# KiCad board Bestellung Rev.1.kicad_pcb (continued)
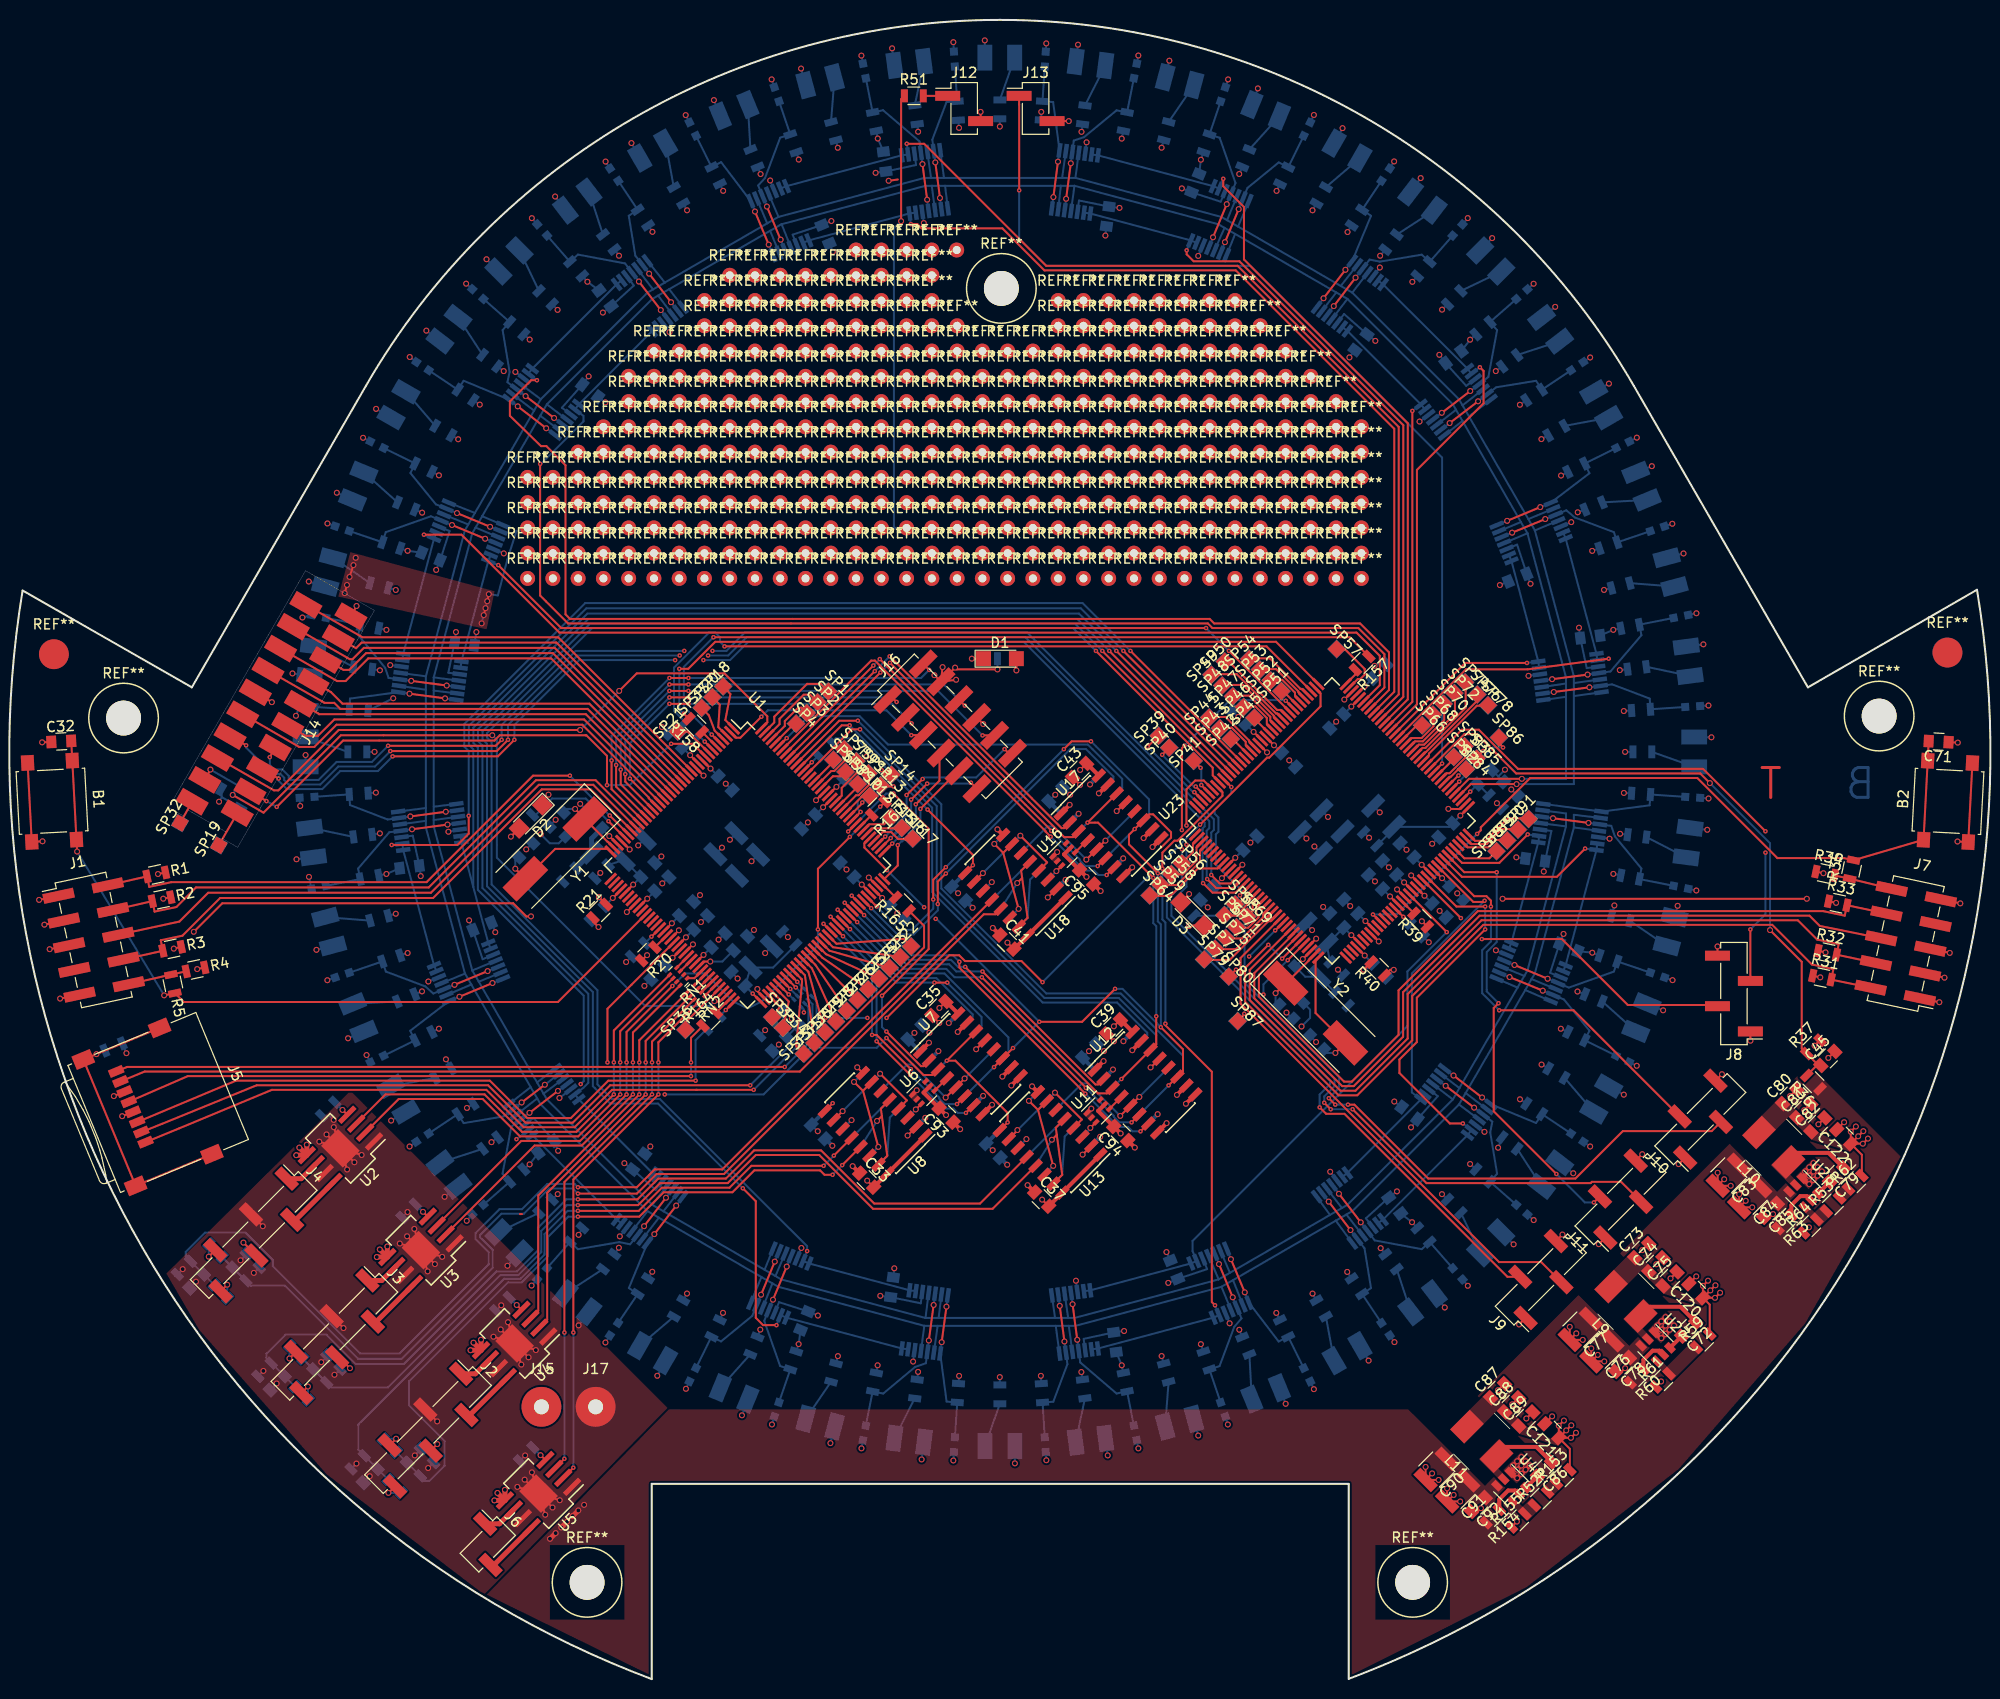
[diagram p0: board, top side]
## Routing (per net, layer and track width the routed paths; a pad name or vN(x,y) marks a point on that pad's centre or on a via; arc(x,y) is an arc through that point) (continued)
/Sensor Controller/12WHITE: length 72.6
  Top w0.2: U23.98 137.89,96.51 140.14,98.76 140.14,126.08 123.66,142.56 119.06,142.56 118.36,143.26 v2(118.36,143.66)
  Bottom w0.2: U46.13 U46.14 ; U46.14 U47.1 U47.2 ; U46.14 v2(118.36,143.66)
/Sensor Controller/Echo1: length 55.4
  Top w0.2: v2(176.55,85.25) 170.28,91.52 151.67,91.52 147.73,95.46 146.03,95.46 U23.85 142.49,91.91 ; v2(175.03,75.38) 175.04,75.37 J8.3
  In2.Cu w0.2: v2(176.55,85.25) v2(176.55,83.1)
  Bottom w0.2: v2(176.55,83.1) 176.55,76.9 v2(175.03,75.38)
/Sensor Controller/Echo2: length 84.1
  Top w0.2: U23.136 v2(122.85,89.7) ; J10.3 171.14,55.1 162.21,55.1 157.44,50.33 142.65,50.33 135.22,57.76 v2(134.58,57.76) ; v2(133.3,57.76) v2(132.65,58.41)
  Bottom w0.2: v2(132.65,58.41) 133.69,59.44 133.69,60.51 124.18,70.02 124.18,79.01 121.29,81.9 121.29,84.93 121.55,85.19 121.55,86.64 121.18,87.01 121.18,87.39 122.85,89.06 v2(122.85,89.7) ; v2(134.58,57.76) v2(133.3,57.76)
/Sensor Controller/Echo3: length 78.9
  Top w0.2: J11.3 162.04,50 159.1,50 158.97,49.87 142.47,49.87 v2(135.04,57.3) ; v2(118.34,85.83) 118.34,89.47 119.22,90.35 120.08,90.35 120.99,89.44 U23.139 ; v2(132.84,57.3) v2(132.19,57.95)
  In2.Cu w0.2: v2(118.34,83.9) v2(118.34,85.83)
  Bottom w0.2: v2(132.19,57.95) 132.19,58.59 133.23,59.63 133.23,60.35 116.83,76.75 116.83,78.16 118.34,79.67 v2(118.34,83.9) ; v2(135.04,57.3) v2(132.84,57.3)
/Sensor Controller/Echo4: length 54
  Top w0.2: J9.3 154.01,41.93 149.77,41.93 123.78,67.92 123.78,72.51 127.7,76.43 U23.25
/Sensor Controller/JTAG_Test_Clock: length 87.5
  Top w0.2: J7.4 R32.2 183.91,73.9 181.74,74.36 179.8,76.3 148,76.3 140.58,68.88 140.58,64.41 135.33,59.16 133.82,59.16 124.7,68.28 124.7,71.31 128.76,75.37 U23.28
/Sensor Controller/JTAG_Test_Data_In: length 85
  Top w0.2: J7.8 R33.2 184.52,76.76 182.35,77.22 147.63,77.22 139.66,69.25 139.66,64.77 134.97,60.08 134.18,60.08 125.62,68.64 125.62,70.81 U23.30
/Sensor Controller/JTAG_Test_Data_Out: length 85.2
  Top w0.2: J7.6 182.01,75.73 180.98,76.76 147.81,76.76 140.12,69.07 140.12,64.59 135.15,59.62 134,59.62 125.16,68.46 125.16,70.99 129.12,74.95 U23.29
/Sensor Controller/JTAG_Test_Mode_Select: length 90.9
  Top w0.2: J7.2 R31.2 183.38,71.39 181.22,71.85 177.23,75.84 148.19,75.84 141.04,68.69 141.04,64.23 135.51,58.7 133.64,58.7 124.24,68.1 124.24,71.5 v2(126.57,73.83) ; v2(127.96,72.44) 129.83,74.3 U23.31
  Bottom w0.2: v2(127.96,72.44) v2(126.57,73.83)
/Sensor Controller/LBR: length 98
  Top w0.2: U23.83 v2(144.04,92.06) ; v2(101.52,149.69) 101.52,158.33 101.52,158.33 J13.1
  Bottom w0.2: v2(101.52,149.69) 101.52,144.82 104.24,142.1 124.76,142.1 144.04,122.82 v2(144.04,92.06)
/Sensor Controller/LED2: length 6.6
  Top w0.2: v2(123.72,78.81) U23.16
  Bottom w0.2: v2(123.72,78.81) 121.67,76.76 R42.2
/Sensor Controller/Linesensor 1/Photo1: length 15.7
  Top w0.2: v1(93.09,152.5) v1(93.56,148.92)
  Bottom w0.2: Q1.2 R45.1 94.22,158.56 92.79,154.78 U24.6 v1(93.09,152.5) ; v1(93.56,148.92) U24.9
/Sensor Controller/Linesensor 1/Photo2: length 16.4
  Top w0.2: v1(91.8,152.33) v1(92.27,148.75)
  Bottom w0.2: Q2.2 R46.1 87.84,157.74 91.5,154.61 U24.4 v1(91.8,152.33) ; v1(92.27,148.75) U24.11
/Sensor Controller/Linesensor 1/Photo3: length 17
  Top w0.2: v1(76.16,148.06) v1(77.54,144.73)
  Bottom w0.2: Q3.2 R47.1 77.49,154.98 75.97,150.93 75.28,150.18 U25.10 v1(76.16,148.06) ; v1(77.54,144.73) U25.5
/Sensor Controller/Linesensor 1/Photo4: length 15.4
  Top w0.2: v1(74.96,147.56) v1(76.34,144.23)
  Bottom w0.2: Q4.2 R48.1 71.56,152.52 U25.8 v1(74.96,147.56) ; v1(76.34,144.23) U25.7
/Sensor Controller/Linesensor 2/Photo1: length 15.7
  Top w0.2: v1(66.52,138.44) v1(64.32,141.31)
  Bottom w0.2: Q5.2 R65.1 62.27,147.13 62.93,143.12 U21.6 v1(64.32,141.31) ; v1(66.52,138.44) U21.9
/Sensor Controller/Linesensor 2/Photo2: length 16.4
  Top w0.2: v1(63.29,140.52) v1(65.49,137.65)
  Bottom w0.2: Q6.2 R66.1 57.16,143.23 61.9,142.34 U21.4 v1(63.29,140.52) ; v1(65.49,137.65) U21.11
/Sensor Controller/Linesensor 2/Photo3: length 17
  Top w0.2: v1(51.9,129) v1(54.76,126.8)
  Bottom w0.2: Q7.2 R67.1 49.59,135.64 50.29,131.43 50.07,130.4 U22.10 v1(51.9,129) ; v1(54.76,126.8) U22.5
/Sensor Controller/Linesensor 2/Photo4: length 15.4
  Top w0.2: v1(51.11,127.97) v1(53.97,125.77)
  Bottom w0.2: Q8.2 R68.1 45.67,130.54 U22.8 v1(51.11,127.97) ; v1(53.97,125.77) U22.7
/Sensor Controller/Linesensor 3/Photo1: length 15.7
  Top w0.2: v1(45,117.24) v1(48.33,115.86)
  Bottom w0.2: Q9.2 R71.1 40.32,121.26 42.88,118.12 U26.6 v1(45,117.24) ; v1(48.33,115.86) U26.9
/Sensor Controller/Linesensor 3/Photo2: length 16.5
  Top w0.2: v1(44.5,116.04) v1(47.83,114.66)
  Bottom w0.2: Q10.2 R72.1 37.84,115.32 42.38,116.92 U26.4 v1(44.5,116.04) ; U26.11 v1(47.83,114.66)
/Sensor Controller/Linesensor 3/Photo3: length 17
  Top w0.2: v1(40.4,100.37) v1(43.97,99.9)
  Bottom w0.2: Q11.2 R73.1 35.07,104.97 37.78,101.68 38.12,100.67 U29.10 v1(40.4,100.37) ; v1(43.97,99.9) U29.5
/Sensor Controller/Linesensor 3/Photo4: length 15.4
  Top w0.2: v1(40.23,99.08) v1(43.8,98.61)
  Bottom w0.2: Q12.2 R74.1 34.25,98.59 U29.8 v1(40.23,99.08) ; v1(43.8,98.61) U29.7
/Sensor Controller/Linesensor 4/Photo1: length 15.7
  Top w0.2: v1(40.31,86.74) v1(43.88,87.21)
  Bottom w0.2: Q13.2 R77.1 34.25,87.88 38.03,86.43 U30.6 v1(40.31,86.74) ; v1(43.88,87.21) U30.9
/Sensor Controller/Linesensor 4/Photo2: length 16.4
  Top w0.2: v1(40.48,85.45) v1(44.05,85.92)
  Bottom w0.2: Q14.2 R78.1 35.06,81.5 38.2,85.15 U30.4 v1(40.48,85.45) ; v1(44.05,85.92) U30.11
/Sensor Controller/Linesensor 4/Photo3: length 17
  Top w0.2: v1(44.75,69.81) v1(48.08,71.19)
  Bottom w0.2: Q15.2 R79.1 37.85,71.14 41.81,69.65 42.62,68.93 U31.10 v1(44.75,69.81) ; v1(48.08,71.19) U31.5
/Sensor Controller/Linesensor 4/Photo4: length 15.4
  Top w0.2: v1(45.25,68.61) v1(48.57,69.99)
  Bottom w0.2: Q16.2 R80.1 40.3,65.19 U31.8 v1(45.25,68.61) ; v1(48.57,69.99) U31.7
/Sensor Controller/Linesensor 5/Photo1: length 15.7
  Top w0.2: v1(51.5,57.98) v1(53.83,59.76)
  Bottom w0.2: Q17.2 R83.1 45.68,55.9 49.68,56.58 U32.6 v1(51.5,57.98) ; v1(53.83,59.76) U32.9
/Sensor Controller/Linesensor 5/Photo2: length 16.4
  Top w0.2: v1(52.29,56.94) v1(55.15,59.14)
  Bottom w0.2: Q18.2 R84.1 49.58,50.81 50.46,55.54 U32.4 v1(52.29,56.94) ; v1(55.15,59.14) U32.11
/Sensor Controller/Linesensor 5/Photo3: length 17
  Top w0.2: v1(63.81,45.54) v1(66.01,48.4)
  Bottom w0.2: Q19.2 R85.1 57.16,43.23 61.32,43.94 62.41,43.72 U33.10 v1(63.81,45.54) ; U33.5 v1(66.01,48.4)
/Sensor Controller/Linesensor 5/Photo4: length 15.4
  Top w0.2: v1(67.04,47.61) v1(64.84,44.74)
  Bottom w0.2: Q20.2 R86.1 62.28,39.32 U33.8 v1(64.84,44.74) ; U33.7 v1(67.04,47.61)
/Sensor Controller/Linesensor 6/Photo1: length 15.7
  Top w0.2: v1(76.95,41.98) v1(75.57,38.65)
  Bottom w0.2: Q21.2 R89.1 71.55,33.95 74.68,36.52 U34.6 v1(75.57,38.65) ; U34.9 v1(76.95,41.98)
/Sensor Controller/Linesensor 6/Photo2: length 16.5
  Top w0.2: v1(76.77,38.15) v1(78.15,41.48)
  Bottom w0.2: Q22.2 R90.1 77.49,31.48 75.89,36.02 U34.4 v1(76.77,38.15) ; U34.11 v1(78.15,41.48)
/Sensor Controller/Linesensor 6/Photo3: length 17
  Top w0.2: v1(92.44,34.05) v1(92.92,37.62)
  Bottom w0.2: Q23.2 R91.1 87.85,28.71 91.06,31.39 92.14,31.76 U35.10 v1(92.44,34.05) ; v1(92.92,37.62) U35.5
/Sensor Controller/Linesensor 6/Photo4: length 15.4
  Top w0.2: v1(94.21,37.45) v1(93.73,33.88)
  Bottom w0.2: Q24.2 R92.1 94.22,27.9 U35.8 v1(93.73,33.88) ; v1(94.21,37.45) U35.7
/Sensor Controller/Linesensor 7/Photo1: length 15.7
  Top w0.2: v1(105.6,37.53) v1(106.07,33.95)
  Bottom w0.2: Q25.2 R95.1 104.95,27.89 106.37,31.67 U36.6 v1(106.07,33.95) ; U36.9 v1(105.6,37.53)
/Sensor Controller/Linesensor 7/Photo2: length 16.4
  Top w0.2: v1(106.89,37.7) v1(107.36,34.12)
  Bottom w0.2: Q26.2 R96.1 111.31,28.72 107.66,31.84 U36.4 v1(107.36,34.12) ; U36.11 v1(106.89,37.7)
/Sensor Controller/Linesensor 7/Photo3: length 17
  Top w0.2: v1(121.61,41.73) v1(122.99,38.39)
  Bottom w0.2: Q27.2 R97.1 121.67,31.48 123.14,35.41 123.87,36.27 U37.10 v1(122.99,38.39) ; U37.5 v1(121.61,41.73)
/Sensor Controller/Linesensor 7/Photo4: length 15.4
  Top w0.2: v1(124.2,38.89) v1(122.81,42.22)
  Bottom w0.2: Q28.2 R98.1 127.61,33.94 U37.8 v1(124.2,38.89) ; U37.7 v1(122.81,42.22)
/Sensor Controller/Linesensor 8/Photo1: length 15.7
  Top w0.2: v1(132.64,48.01) v1(134.83,45.15)
  Bottom w0.2: Q29.2 R101.1 136.89,39.32 136.24,43.31 U38.6 v1(134.83,45.15) ; U38.9 v1(132.64,48.01)
/Sensor Controller/Linesensor 8/Photo2: length 16.4
  Top w0.2: v1(133.67,48.8) v1(135.86,45.93)
  Bottom w0.2: Q30.2 R102.1 141.99,43.23 137.27,44.11 U38.4 v1(135.86,45.93) ; U38.11 v1(133.67,48.8)
/Sensor Controller/Linesensor 8/Photo3: length 16.9
  Top w0.2: v1(144.4,59.65) v1(147.26,57.46)
  Bottom w0.2: Q31.2 R103.1 149.57,50.82 148.88,54.97 149.09,56.05 U39.10 v1(147.26,57.46) ; U39.5 v1(144.4,59.65)
/Sensor Controller/Linesensor 8/Photo4: length 15.4
  Top w0.2: v1(148.06,58.48) v1(145.19,60.69)
  Bottom w0.2: Q32.2 R104.1 153.49,55.91 U39.8 v1(148.06,58.48) ; U39.7 v1(145.19,60.69)
/Sensor Controller/Linesensor 9/Photo1: length 15.7
  Top w0.2: v1(150.82,70.59) v1(154.16,69.22)
  Bottom w0.2: Q33.2 R107.1 158.86,65.19 156.29,68.33 U40.6 v1(154.16,69.22) ; U40.9 v1(150.82,70.59)
/Sensor Controller/Linesensor 9/Photo2: length 16.4
  Top w0.2: v1(154.65,70.42) v1(151.32,71.8)
  Bottom w0.2: Q34.2 R108.1 161.31,71.14 156.78,69.53 U40.4 v1(154.65,70.42) ; U40.11 v1(151.32,71.8)
/Sensor Controller/Linesensor 9/Photo3: length 16.9
  Top w0.2: v1(155.19,86.56) v1(158.76,86.09)
  Bottom w0.2: Q35.2 R109.1 164.08,81.5 161.41,84.74 161.05,85.79 U41.10 v1(158.76,86.09) ; U41.5 v1(155.19,86.56)
/Sensor Controller/Linesensor 9/Photo4: length 15.4
  Bottom w0.2: Q36.2 R110.1 164.91,87.86 U41.8 U41.7
/Sensor Controller/Linesensor 10/Photo1: length 15.7
  Top w0.2: v1(155.27,99.25) v1(158.85,99.72)
  Bottom w0.2: Q37.2 R113.1 164.92,98.59 161.13,100.02 U42.6 v1(158.85,99.72) ; U42.9 v1(155.27,99.25)
/Sensor Controller/Linesensor 10/Photo2: length 16.4
  Top w0.2: v1(155.1,100.54) v1(158.67,101)
  Bottom w0.2: Q38.2 R114.1 164.08,104.96 160.96,101.31 U42.4 v1(158.67,101) ; U42.11 v1(155.1,100.54)
/Sensor Controller/Linesensor 10/Photo3: length 16.9
  Top w0.2: v1(151.08,115.27) v1(154.41,116.64)
  Bottom w0.2: Q39.2 R115.1 161.31,115.32 157.38,116.8 156.53,117.52 U43.10 v1(154.41,116.64) ; U43.5 v1(151.08,115.27)
/Sensor Controller/Linesensor 10/Photo4: length 15.4
  Top w0.2: v1(153.91,117.84) v1(150.58,116.46)
  Bottom w0.2: Q40.2 R116.1 158.85,121.24 U43.8 v1(153.91,117.84) ; U43.7 v1(150.58,116.46)
/Sensor Controller/Linesensor 11/Photo1: length 15.7
  Top w0.2: v1(144.8,126.29) v1(147.66,128.48)
  Bottom w0.2: Q41.2 R119.1 153.49,130.54 149.48,129.89 U44.6 v1(147.66,128.48) ; U44.9 v1(144.8,126.29)
/Sensor Controller/Linesensor 11/Photo2: length 16.4
  Top w0.2: v1(146.87,129.51) v1(144.01,127.32)
  Bottom w0.2: Q42.2 R120.1 149.57,135.63 148.69,130.92 U44.4 v1(146.87,129.51) ; U44.11 v1(144.01,127.32)
/Sensor Controller/Linesensor 11/Photo3: length 16.9
  Top w0.2: v1(135.34,140.91) v1(133.15,138.05)
  Bottom w0.2: Q43.2 R121.1 141.99,143.22 137.78,142.52 136.75,142.73 U45.10 v1(135.34,140.91) ; v1(133.15,138.05) U45.5
/Sensor Controller/Linesensor 11/Photo4: length 15.4
  Top w0.2: v1(132.12,138.84) v1(134.32,141.7)
  Bottom w0.2: Q44.2 R122.1 136.9,147.13 U45.8 v1(134.32,141.7) ; v1(132.12,138.84) U45.7
/Sensor Controller/Linesensor 12/Photo1: length 15.7
  Top w0.2: v1(122.21,144.48) v1(123.59,147.8)
  Bottom w0.2: Q45.2 R125.1 127.62,152.49 124.48,149.93 U46.6 v1(123.59,147.8) ; v1(122.21,144.48) U46.9
/Sensor Controller/Linesensor 12/Photo2: length 16.4
  Top w0.2: v1(122.39,148.3) v1(121.01,144.97)
  Bottom w0.2: Q46.2 R126.1 121.68,154.97 123.27,150.43 U46.4 v1(122.39,148.3) ; v1(121.01,144.97) U46.11
/Sensor Controller/Linesensor 12/Photo3: length 17
  Top w0.2: v1(106.71,152.41) v1(106.24,148.84)
  Bottom w0.2: Q47.2 R127.1 111.31,157.73 108.03,155.03 107.01,154.69 U47.10 v1(106.71,152.41) ; v1(106.24,148.84) U47.5
/Sensor Controller/Linesensor 12/Photo4: length 15.4
  Top w0.2: v1(105.42,152.57) v1(104.96,149.01)
  Bottom w0.2: Q48.2 R128.1 104.94,158.57 U47.8 v1(105.42,152.57) ; v1(104.96,149.01) U47.7
/Sensor Controller/RESET: length 75.9
  Top w0.2: C71.2 B2.1 B2.1 R35.2 184.43,82.55 177.75,82.55 169.7,90.6 152.89,90.6 147.93,85.64 147.93,85.35 v2(147.56,84.98) ; v2(137.09,76.88) 137.89,76.08 U23.47
  Bottom w0.2: v2(147.56,84.98) 139.46,76.88 v2(137.09,76.88)
/Sensor Controller/Trig1: length 34.8
  Top w0.2: U23.59 v2(145.93,76.52) ; 171.73,67.66 171.61,67.78 162.71,67.78 156.08,74.41 v2(148.04,74.41)
  In2.Cu w0.2: v2(148.04,74.41) v2(145.93,76.52)
/Sensor Controller/Trig2: length 41.3
  Top w0.2: v2(148.95,77.68) 148.95,78.27 148.5,78.72 147.27,78.72 143.9,82.09 U23.64 ; J10.2 157.26,67.25 v2(149.78,67.25)
  Bottom w0.2: v2(149.78,67.25) 148.07,68.96 148.07,73.29 148.95,74.17 v2(148.95,77.68)
/Sensor Controller/Trig3: length 45.5
  Top w0.2: v2(149.53,81.13) 146.27,81.13 144.61,82.79 U23.66 ; v2(149.71,67.96) 149.23,67.48 149.23,57.09 v2(155.53,50.79) ; v2(159.3,47.93) 159.9,48.53 J11.2
  Bottom w0.2: v2(149.71,67.96) 148.53,69.14 148.53,73.11 149.53,74.11 v2(149.53,81.13) ; v2(155.53,50.79) 158.39,47.93 v2(159.3,47.93)
/Sensor Controller/Trig4: length 84.8
  Top w0.2: v2(128.32,98.37) 129.12,97.57 U23.116 ; v2(131.73,57.49) 132.38,56.84 134.22,56.84 150.61,40.45 J9.2 ; v2(118.13,93.85) 117.88,93.6 v2(117.88,85.37)
  In2.Cu w0.2: v2(117.88,83.44) v2(117.88,85.37)
  Bottom w0.2: v2(128.32,98.37) 128.25,98.44 122.72,98.44 v2(118.13,93.85) ; v2(131.73,57.49) 131.73,58.78 132.77,59.82 132.77,60.17 116.37,76.57 116.37,78.34 117.88,79.85 v2(117.88,83.44)
/Sensor Controller/VREF_black: length 502.3
  Top w0.2: U23.76 146.92,89.99 v1(151.53,89.99)
  Bottom w0.2: 77.33,147.02 91.98,150.94 92.66,150.94 ; 77.33,147.02 U25.11 ; 77.33,147.02 77.3,147.01 76.19,146.37 ; 76.19,146.37 U25.9 ; 76.19,146.37 65.89,140.41 ; 53.43,128.68 64.15,139.4 64.71,139.73 ; 53.43,128.68 U22.11 ; 53.43,128.68 53.4,128.66 52.75,127.54 ; 52.75,127.54 U22.9 ; 52.75,127.54 46.8,117.25 ; 41.87,100.83 45.8,115.51 46.14,116.09 ; 41.87,100.83 41.87,99.48 ; 41.87,100.83 U29.11 ; 41.87,99.48 U29.9 ; 41.87,99.48 41.87,87.58 ; 45.8,70.94 45.8,70.95 41.87,85.63 41.87,86.29 ; 45.8,70.94 U31.11 ; 45.8,70.94 46.44,69.84 ; 64.15,47.05 53.41,57.8 53.07,58.39 ; 64.15,47.05 65.3,46.39 ; 64.15,47.05 U33.11 ; 65.3,46.39 U33.9 ; 65.3,46.39 75.61,40.42 ; 91.98,35.52 77.3,39.44 76.71,39.78 ; 91.98,35.52 U35.11 ; 91.98,35.52 91.98,35.52 93.32,35.52 ; 93.32,35.52 U35.9 ; 93.32,35.52 105.2,35.52 ; 121.86,39.44 107.18,35.52 106.52,35.52 ; 121.86,39.44 123.02,40.12 ; 121.86,39.44 U37.11 ; 123.02,40.12 U37.9 ; 123.02,40.12 133.35,46.09 ; 145.73,57.78 135.01,47.05 134.42,46.71 ; 145.73,57.78 U39.11 ; 145.73,57.78 145.76,57.8 146.41,58.93 ; 146.41,58.93 U39.9 ; 146.41,58.93 152.4,69.28 ; 157.29,85.63 153.37,70.95 153.04,70.38 ; 157.29,85.63 157.29,86.9 U41.9 ; 157.29,85.63 U41.11 ; 153.37,115.5 157.29,100.83 157.29,100.15 ; 153.37,115.5 U43.11 ; 153.37,115.5 153.37,115.5 152.71,116.64 ; 152.71,116.64 U43.9 ; 152.71,116.64 146.74,126.96 ; 135.01,139.4 145.76,128.66 146.1,128.07 ; 135.01,139.4 133.85,140.07 ; 135.01,139.4 U45.11 ; 133.85,140.07 U45.9 ; 133.85,140.07 123.53,146.05 ; 107.18,150.94 121.86,147.01 122.42,146.68 ; 107.18,150.94 U47.11 ; 107.18,150.94 105.84,150.94 ; U21.5 64.71,139.73 ; 64.71,139.73 65.89,140.41 ; 105.84,150.94 U47.9 ; 105.84,150.94 93.96,150.94 ; U24.7 93.96,150.94 ; 93.96,150.94 92.66,150.94 ; 92.66,150.94 U24.5 ; 65.89,140.41 U21.7 ; 46.8,117.25 U26.7 ; 46.8,117.25 46.14,116.09 ; 46.14,116.09 U26.5 ; 41.87,87.58 U30.7 ; 41.87,87.58 41.87,86.29 ; 41.87,86.29 U30.5 ; 46.44,69.84 U31.9 ; 46.44,69.84 52.41,59.52 ; 52.41,59.52 U32.7 ; 52.41,59.52 53.07,58.39 ; 53.07,58.39 U32.5 ; 75.61,40.42 U34.7 ; 75.61,40.42 76.71,39.78 ; 76.71,39.78 U34.5 ; 105.2,35.52 U36.7 ; 105.2,35.52 106.52,35.52 ; 106.52,35.52 U36.5 ; 133.35,46.09 U38.7 ; 133.35,46.09 134.42,46.71 ; 134.42,46.71 U38.5 ; 152.4,69.28 U40.7 ; 152.4,69.28 153.04,70.38 ; U40.5 153.04,70.38 ; U42.7 157.29,98.84 ; 157.29,98.84 157.29,100.15 ; 157.29,98.84 157.29,89.99 v1(151.53,89.99) ; 157.29,100.15 U42.5 ; 146.74,126.96 U44.7 ; 146.74,126.96 146.1,128.07 ; 146.1,128.07 U44.5 ; 123.53,146.05 U46.7 ; 123.53,146.05 122.42,146.68 ; 122.42,146.68 U46.5
/Sensor Controller/VREF_white: length 484.2
  Top w0.2: v1(152.06,90.52) 146.74,90.52 145.31,89.09 U23.77
  Bottom w0.2: 77.64,146.28 92.09,150.14 92.73,150.14 ; 77.64,146.28 U25.4 ; 77.64,146.28 77.61,146.27 76.49,145.62 ; 76.49,145.62 U25.6 ; 76.49,145.62 66.33,139.75 ; 54.04,128.17 64.64,138.77 65.22,139.11 ; 54.04,128.17 53.37,127.02 ; 54.04,128.17 U22.4 ; 53.37,127.02 U22.6 ; 53.37,127.02 47.53,116.92 ; 42.67,100.72 42.67,100.72 46.54,115.2 46.87,115.78 ; 42.67,100.72 U29.4 ; 42.67,100.72 42.67,99.39 ; 46.54,71.25 46.54,71.26 42.67,85.74 42.67,86.38 ; 46.54,71.25 U31.4 ; 46.54,71.25 47.19,70.12 ; 64.64,47.69 54.04,58.28 53.71,58.86 ; 64.64,47.69 65.75,47.04 ; 64.64,47.69 U33.4 ; 65.75,47.04 U33.6 ; 65.75,47.04 75.93,41.16 ; 92.11,36.31 92.09,36.31 77.61,40.18 77.02,40.52 ; 92.11,36.31 U35.4 ; 92.11,36.31 93.42,36.31 ; 121.57,40.2 121.55,40.18 107.07,36.31 106.45,36.31 ; 121.57,40.2 U37.4 ; 121.57,40.2 122.71,40.85 ; 145.12,58.28 134.52,47.69 133.97,47.37 ; 145.12,58.28 145.78,59.43 ; 145.12,58.28 U39.4 ; 145.78,59.43 U39.6 ; 145.78,59.43 151.63,69.53 ; 156.5,85.74 152.63,71.26 152.3,70.7 ; 156.5,85.74 156.5,87.03 U41.6 ; 156.5,85.74 U41.4 ; 152.62,115.21 152.62,115.2 156.5,100.72 156.5,100.1 ; 152.62,115.21 U43.4 ; 152.62,115.21 151.97,116.34 ; 134.52,138.77 134.53,138.77 145.12,128.17 145.44,127.62 ; 134.52,138.77 U45.4 ; 134.52,138.77 133.4,139.42 ; 107.07,150.14 121.55,146.27 122.16,145.92 ; 107.07,150.14 U47.4 ; 107.07,150.14 105.71,150.14 ; U21.10 65.22,139.11 ; 65.22,139.11 66.33,139.75 ; 92.73,150.14 U24.10 ; 92.73,150.14 94.07,150.14 ; U24.8 94.07,150.14 ; 94.07,150.14 105.71,150.14 ; U47.6 105.71,150.14 ; 66.33,139.75 U21.8 ; 47.53,116.92 U26.8 ; 47.53,116.92 46.87,115.78 ; 46.87,115.78 U26.10 ; 42.67,99.39 U29.6 ; 42.67,99.39 42.67,87.72 ; 42.67,87.72 U30.8 ; 42.67,87.72 42.67,86.38 ; 42.67,86.38 U30.10 ; 47.19,70.12 U31.6 ; 47.19,70.12 53.05,60 ; 53.05,60 U32.8 ; 53.05,60 53.71,58.86 ; 53.71,58.86 U32.10 ; 75.93,41.16 U34.8 ; 75.93,41.16 77.02,40.52 ; 77.02,40.52 U34.10 ; U35.6 93.42,36.31 ; 93.42,36.31 105.13,36.31 ; 105.13,36.31 U36.8 ; 105.13,36.31 106.45,36.31 ; U36.10 106.45,36.31 ; 122.71,40.85 U37.6 ; 122.71,40.85 132.77,46.67 ; 132.77,46.67 U38.8 ; 132.77,46.67 133.97,47.37 ; U38.10 133.97,47.37 ; 151.63,69.53 U40.8 ; 151.63,69.53 152.3,70.7 ; U40.10 152.3,70.7 ; U42.8 156.5,98.76 ; 156.5,98.76 156.5,100.1 ; 156.5,98.76 156.5,90.52 v1(152.06,90.52) ; 156.5,100.1 U42.10 ; 151.97,116.34 U43.6 ; 151.97,116.34 146.09,126.5 ; 146.09,126.5 U44.8 ; 146.09,126.5 145.44,127.62 ; 145.44,127.62 U44.10 ; 133.4,139.42 U45.6 ; 133.4,139.42 123.23,145.3 ; 123.23,145.3 U46.8 ; 123.23,145.3 122.16,145.92 ; 122.16,145.92 U46.10
/SPI0_CLK: length 10.5
  Top w0.2: v2(96.67,90.13) 97.28,89.52 J16.11 ; v2(92.27,90.04) v2(90.66,88.43)
  Bottom w0.2: v2(90.66,88.43) 90.66,86.62 89.85,85.8 RN4.6 ; v2(96.67,90.13) 96.58,90.04 v2(92.27,90.04)
/SPI0_MISO: length 8.3
  Top w0.2: v2(91.59,87.5) 95.41,91.32 J16.9
  Bottom w0.2: v2(91.59,87.5) 91.59,86.14 90.55,85.1 RN4.8
/SPI0_MOSI: length 9.1
  Top w0.2: J16.7 93.51,92.94 93.51,90.34 v2(91.13,87.96)
  Bottom w0.2: RN4.7 91.13,86.38 v2(91.13,87.96)
/SPI0_SS0: length 15.8
  Top w0.2: v2(100.05,93.51) 100.47,93.09 J16.12 ; v2(91.81,90.5) v2(90.2,88.89)
  Bottom w0.2: v2(90.2,88.89) 90.2,86.86 89.5,86.16 RN4.5 ; v2(100.05,93.51) 97.2,90.66 91.97,90.66 v2(91.81,90.5)
/SPI1_CLK: length 70.2
  Top w0.2: v2(119.71,85.92) 126.44,92.65 126.66,92.65 131.82,97.81 131.82,99.11 131.24,99.69 U23.110 ; v2(103.87,70.08) 101.75,72.2 96.07,72.2 95.49,72.78 94.49,72.78 v2(88.19,66.48)
  In2.Cu w0.2: v2(79.88,67.03) 80.4,66.51 v2(82.09,66.51) ; v2(86.26,66.48) v2(88.19,66.48)
  Bottom w0.2: v2(82.09,66.51) 82.12,66.48 v2(86.26,66.48) ; RN3.8 79.88,67.31 v2(79.88,67.03) ; v2(103.87,70.08) v2(119.71,85.92)
/SPI1_MISO: length 1.8
  Top w0.2: R157.2 135.33,101.02 U23.108
/SPI1_MOSI: length 72.5
  Top w0.2: U23.109 127.34,104.3 70.97,104.3 68.25,101.58 v2(67.35,101.58) ; v2(67.81,97.06) 68.31,96.56 R158.2
  Bottom w0.2: v2(67.35,101.58) 67.35,97.52 v2(67.81,97.06)
/SPI1_SS0: length 74.2
  Top w0.2: U23.111 126.39,103.84 v2(71.9,103.84)
  Bottom w0.2: v2(71.9,103.84) 71.44,104.3 71.44,104.75 70.97,105.22 70.34,105.22 66.82,101.7 66.82,97.35 67.96,96.21 R159.2
Net-(C5-Pad1): length 7.3
  Top w0.2: v1(60.31,84.76) U1.34
  Bottom w0.2: C5.1 v1(60.31,84.76)
  Bottom w0.5: L1.1 C6.1 58.54,84.51 C5.1
Net-(C9-Pad2): length 6.9
  Top w0.2: U1.35 60.18,84.18 60.14,84.18 57.89,86.44 Y1.1 v1(56.87,87.49)
  Bottom w0.2: v1(56.88,87.49) 56.01,87.49 C9.2
Net-(C11-Pad1): length 3.9
  Top w0.2: U1.75 v2(77.09,67.99)
  Bottom w0.2: v2(77.09,67.99) C11.1 L2.1
Net-(C12-Pad2): length 12.7
  Top w0.2: U1.36 60.18,83.48 54.88,83.48 Y1.2 v1(50.86,81.48)
  Bottom w0.2: v1(50.86,81.48) 50.86,82.33 C12.2
Net-(C13-Pad1): length 4.4
  Top w0.2: R21.1 v1(59.26,78.62) ; v1(60.66,78.54) U1.40
  Bottom w0.2: v1(59.27,78.62) 59.27,78.41 C13.1 v1(60.67,78.54)
Net-(C45-Pad1): length 66.6
  Top w0.2: R36.2 181.71,61.7 C45.1 181.9,61.7 R37.1 180.69,62.9 180.2,63.39 180.2,72.12 v1(177.01,75.31) ; v1(170.96,90.09) 169.99,91.06 151.49,91.06 147.54,95.01 146.29,95.01 U23.84
  Bottom w0.2: v1(170.96,90.09) 177.01,84.04 v1(177.01,75.31)
Net-(C46-Pad1): length 7.3
  Top w0.2: v1(130.04,72.4) U23.34
  Bottom w0.2: v1(130.04,72.4) C46.1 130.29,70.62 C47.1 L5.1
Net-(C49-Pad1): length 3.9
  Top w0.2: v2(146.87,89.23) U23.75
  Bottom w0.2: v2(146.87,89.23) C49.1 L6.2
Net-(C50-Pad2): length 6.9
  Top w0.2: U23.35 130.62,72.27 130.62,72.23 128.37,69.98 Y2.1 v1(127.3,68.97)
  Bottom w0.2: v1(127.3,68.97) 127.3,68.11 C50.2
Net-(C51-Pad2): length 12.7
  Top w0.2: v1(133.31,62.96) Y2.2 131.32,66.97 131.32,72.26 U23.36
  Bottom w0.2: v1(133.31,62.96) 132.46,62.96 C51.2
Net-(C52-Pad1): length 4.5
  Top w0.2: R40.1 v1(136.15,71.33) ; v1(136.26,72.75) U23.40
  Bottom w0.2: v1(136.16,71.33) 136.37,71.33 C52.1 v1(136.26,72.75)
Net-(C72-Pad1): length 6.6
  Top w0.4: L9.1 164.94,37.44 168,37.44 C72.1
Net-(C72-Pad2): length 1.7
  Top w0.2: 168.14,34.5 168.14,34.5
  Top w0.4: C72.2 168.12,34.48 U27.6
Net-(C79-Pad1): length 6.5
  Top w0.4: L10.1 179.79,52.91 182.89,52.91 C79.1
Net-(C79-Pad2): length 1.7
  Top w0.2: 183,49.98 183,49.99
  Top w0.4: C79.2 182.99,49.98 U28.6
Net-(C86-Pad1): length 6.6
  Top w0.4: L11.1 150.44,23.35 153.51,23.35 C86.1
Net-(C86-Pad2): length 1.7
  Top w0.2: 153.63,20.4 153.63,20.4
  Top w0.4: U48.6 152.47,19.23 C86.2
Net-(D1-Pad2): length 2.4
  Top w0.2: D1.2 v1(101.24,101.42)
  Bottom w0.2: v1(101.24,101.42) D1.2
Net-(D2-Pad2): length 2.4
  Top w0.2: v1(50.42,84.71) 51.25,85.54 D2.2
  Bottom w0.2: v1(50.42,84.71) 51.25,85.54 D2.2
Net-(D3-Pad2): length 2.4
  Top w0.2: v1(118.6,78.94) 117.77,78.11 D3.2
  Bottom w0.2: v1(118.6,78.94) 117.77,78.11 D3.2
Net-(D4-Pad2): length 4.5
  Bottom w0.2: D4.2 R43.2
Net-(D5-Pad2): length 4.5
  Bottom w0.2: D5.2 R129.2
Net-(D6-Pad2): length 4.5
  Bottom w0.2: D6.2 R44.2
Net-(D7-Pad2): length 4.5
  Bottom w0.2: D7.2 R130.2
Net-(D8-Pad2): length 4.5
  Bottom w0.2: D8.2 R49.2
Net-(D9-Pad2): length 4.5
  Bottom w0.2: D9.2 R131.2
Net-(D18-Pad2): length 4.5
  Bottom w0.2: D18.2 R50.2
Net-(D19-Pad2): length 4.5
  Bottom w0.2: D19.2 R132.2
Net-(D20-Pad2): length 4.5
  Bottom w0.2: D20.2 R69.2
Net-(D21-Pad2): length 4.5
  Bottom w0.2: D21.2 R133.2
Net-(D22-Pad2): length 4.5
  Bottom w0.2: D22.2 R70.2
Net-(D23-Pad2): length 4.5
  Bottom w0.2: D23.2 R134.2
Net-(D24-Pad2): length 4.5
  Bottom w0.2: D24.2 R75.2
Net-(D25-Pad2): length 4.5
  Bottom w0.2: R135.2 D25.2
Net-(D26-Pad2): length 4.5
  Bottom w0.2: D26.2 R76.2
Net-(D27-Pad2): length 4.5
  Bottom w0.2: D27.2 R136.2
Net-(D28-Pad2): length 4.5
  Bottom w0.2: D28.2 R81.2
Net-(D29-Pad2): length 4.5
  Bottom w0.2: D29.2 R137.2
Net-(D30-Pad2): length 4.5
  Bottom w0.2: D30.2 R82.2
Net-(D31-Pad2): length 4.5
  Bottom w0.2: D31.2 R138.2
Net-(D32-Pad2): length 4.5
  Bottom w0.2: D32.2 R87.2
Net-(D33-Pad2): length 4.5
  Bottom w0.2: D33.2 R139.2
Net-(D34-Pad2): length 4.5
  Bottom w0.2: D34.2 R88.2
Net-(D35-Pad2): length 4.5
  Bottom w0.2: D35.2 R140.2
Net-(D36-Pad2): length 4.5
  Bottom w0.2: D36.2 R93.2
Net-(D37-Pad2): length 4.5
  Bottom w0.2: D37.2 R141.2
Net-(D38-Pad2): length 4.5
  Bottom w0.2: D38.2 R94.2
Net-(D39-Pad2): length 4.5
  Bottom w0.2: D39.2 R142.2
Net-(D40-Pad2): length 4.5
  Bottom w0.2: D40.2 R99.2
Net-(D41-Pad2): length 4.5
  Bottom w0.2: D41.2 R143.2
Net-(D42-Pad2): length 4.5
  Bottom w0.2: D42.2 R100.2
Net-(D43-Pad2): length 4.5
  Bottom w0.2: D43.2 R144.2
Net-(D44-Pad2): length 4.5
  Bottom w0.2: D44.2 R105.2
Net-(D45-Pad2): length 4.5
  Bottom w0.2: D45.2 R145.2
Net-(D46-Pad2): length 4.5
  Bottom w0.2: D46.2 R106.2
